# Altium PCB CM4-Tower.PcbDoc (part 6 of 10) (continued)
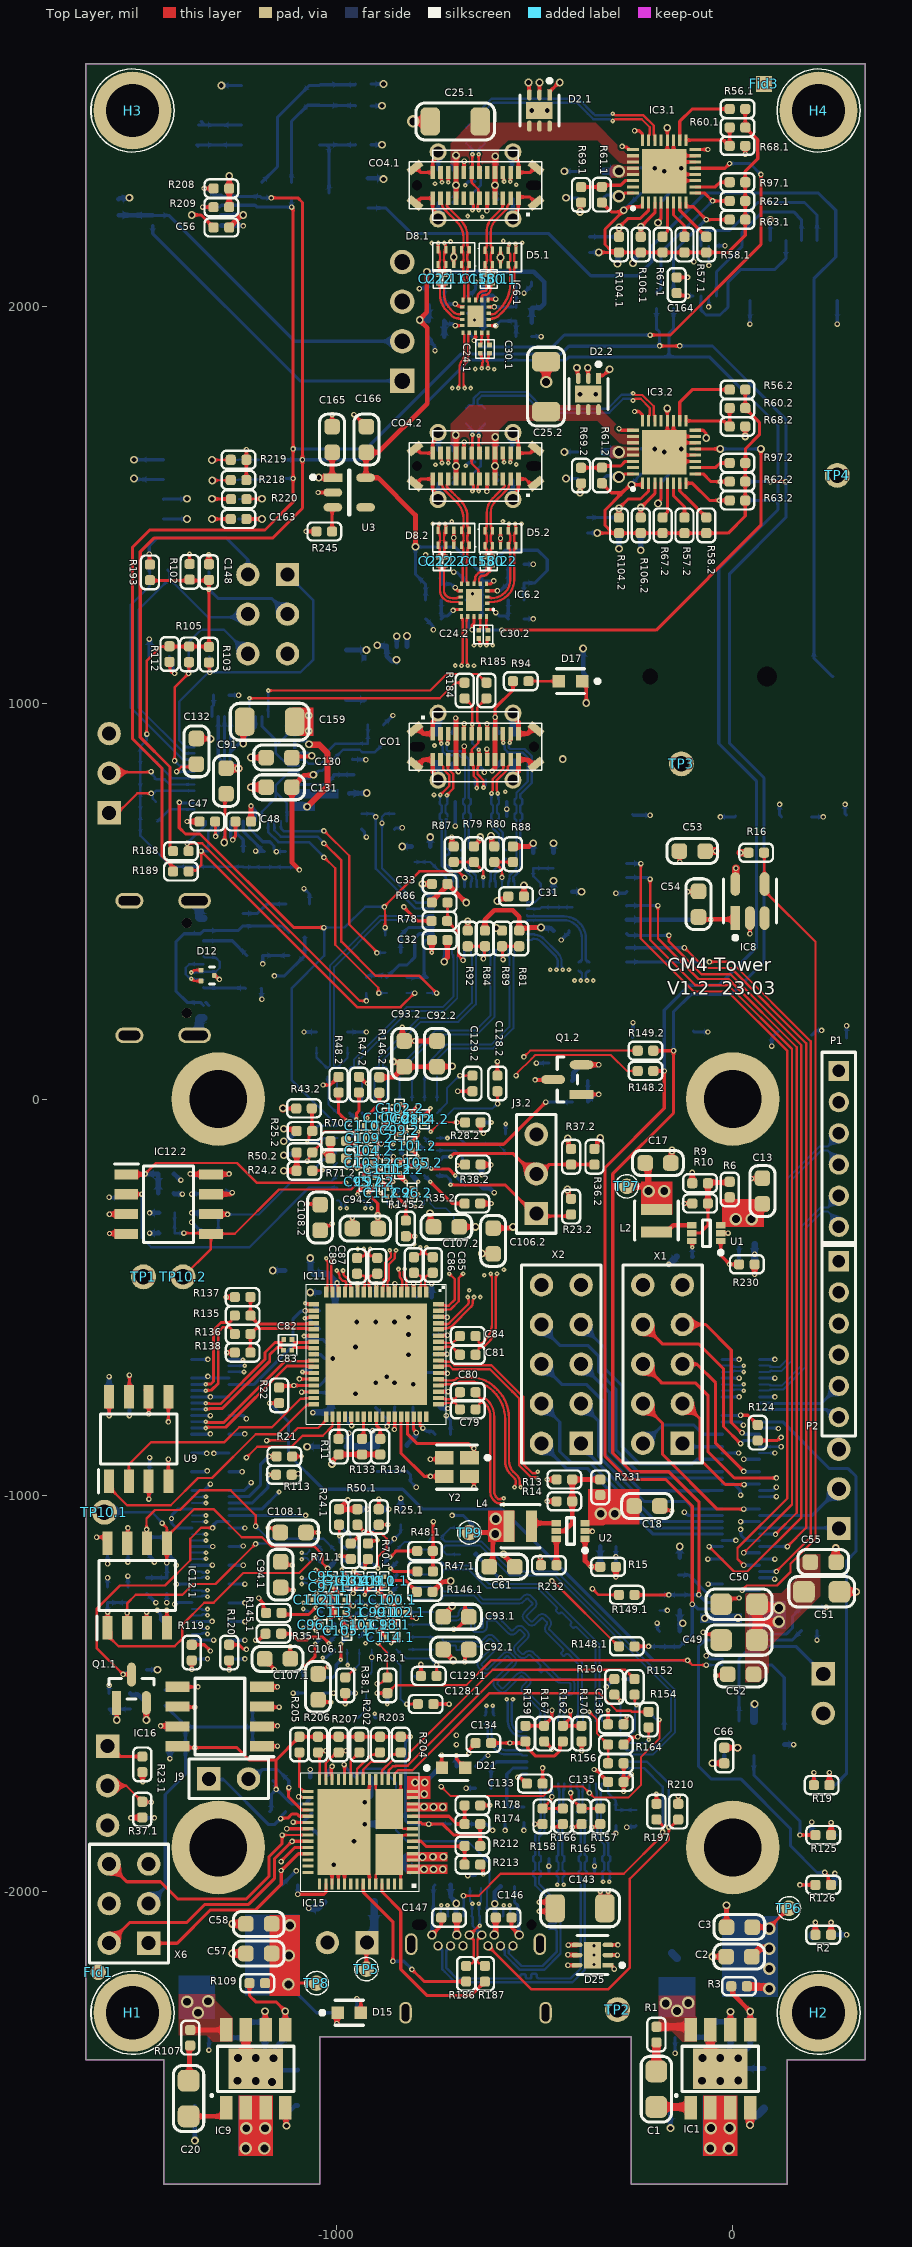
[diagram p0: Top Layer view]
## Nets (pads, with @x,y where several pads share a name; then routed paths per layer and width w, separated by ;. In a path a pad name is that pad's centre, name@x,y a point inside that pad or via, vN(x,y) a via of type N, cw(c..) or ccw(c..) an arc to the next point about the centre after c; other vN are vias at no path point) (continued)
  Bottom Layer w11.81: C78.1@-1574.8,-732.28 v1(-1574.8,-700.79) ; R32.1.2@-1521.26,-1501.12 -1518.07,-1504.32 -1501.18,-1504.32 -1481.89,-1523.61 -1481.89,-1566.92 v3(-1480.76,-1568.05) ; v1(-1473.43,1161.42) -1473.43,1160.88 -1472.31,1159.77 -1472.31,1117.62 IC5.4@-1472.17,1117.49 ; v1(-1472.44,-338.58) R46.2.2@-1448.82,-338.58 R46.2.2@-1450.67,-336.73 ; v1(-1421.26,-1665.35) C160.2@-1421.26,-1637.8 C160.2@-1421.26,-1633.86 ; R52.2.2@-1411.29,-189.11 -1411.02,-189.11 -1395.78,-204.35 -1394.08,-204.35 v1(-1393.7,-204.72) ; v3(-1358.25,-2629.95) C62.2@-1358.25,-2543.34 ; IC7.4@-1291.83,2205.22 IC7.4@-1291.34,2205.71 -1237.74,2205.71 -1236.75,2204.72 v1(-1236.22,2204.72) ; v4@-1204.67,-2421.26 -1181.09,-2397.67 C64.2@-1181.09,-2370.11 ; v4(-1163.35,-2481.96) -1159.58,-2478.19 -1159.58,-2467.84 -1143.68,-2451.94 -1099.26,-2451.94 C63.2@-1098.41,-2451.1 ; v3(-1161.42,-433.07) C9.2@-1130.91,-433.07 ; v4(-1159.41,-2421.74) -1155.65,-2417.97 -1155.65,-2395.85 R111.2@-1129.9,-2370.11 ; v3(-1133.86,-181.1) R26.2.2@-1101.23,-181.1 ; v3(-1133.86,-106.3) -1132.35,-104.79 -1125.31,-104.79 R34.2.1@-1101.23,-80.71 ; v3(-1074.8,-877.95) -1074.46,-877.61 C69.2@-1039.59,-877.61 ; C153.2@-1066.93,-1712.6 v1(-1066.93,-1692.91) ; v3(-1066.93,-488.19) -1066.81,-488.31 -1043.42,-488.31 C15.2@-1043.31,-488.42 ; C152.2@-1039.37,-1930.12 -1036.79,-1932.69 -1008.25,-1932.69 v3(-1007.87,-1933.07) ; R26.1.2@-994.31,-1035.61 -994.31,-1035.35 -972.44,-1013.48 -972.44,-1012.56 v1(-972.06,-1012.19) ; C37.2@-976.38,1133.86 v3(-925.2,1133.86) ; C67.2@-975.61,-744.92 -975.2,-744.51 -953.17,-744.51 v3(-952.76,-744.09) ; C59.2@-975.61,-626.64 -975.28,-626.31 -953.08,-626.31 v3(-952.76,-625.98) ; C161.2@-956.69,-1893.7 v3(-956.69,-1874.02) ; v3(-949.53,-562.99) -949.18,-562.64 -949.18,-537.62 C74.2@-948.82,-537.26 ; v3(-929.13,-1775.59) -929.13,-1775.06 -913.39,-1759.31 C154.2@-913.39,-1712.6 ; C77.2@-902.75,-537.26 -902.16,-537.85 -902.16,-562.41 v3(-901.57,-562.99) ; C70.2@-901.57,-740.16 v3(-901.57,-716.54) ; R43.1.1@-897.85,-1035.61 R43.1.1@-897.56,-1035.32 ; v3(-897.64,1145.67) -896.13,1144.16 -874.16,1144.16 -874.02,1144.01 D24.1@-874.02,1141.73 -874.02,1118.09 -861.44,1105.51 -851.6,1105.51 D24.7@-848.43,1102.34 -848.43,1108.69 v3(-848.98,1109.24) ; R43.1.1@-893.92,-1035.61 -893.82,-1035.52 -868.41,-1035.52 v1(-868.32,-1035.43) ; v3(-874.02,-700.79) -863.05,-689.82 -839.42,-689.82 C10.2@-838.58,-690.66 ; v3(-854.33,-716.54) -853.75,-717.12 -853.75,-737.46 C60.2@-853.16,-738.05 ; v3(-854.33,-562.99) C12.2@-854.33,-537.26 ; v3(-848.52,1168.64) -848.47,1168.6 -848.47,1141.78 D24.2@-848.43,1141.73 ; R34.1.1@-838.29,-1035.14 -838.29,-1008.37 v1(-837.99,-1008.07) ; D24.3@-822.83,1141.73 v3(-822.83,1169.29) ; v3(-818.9,-645.67) -818.36,-645.13 -795.82,-645.13 C75.2@-795.28,-644.59 ; v3(-818.9,-594.49) -818.57,-594.82 -795.6,-594.82 C73.2@-795.28,-595.14 ; v3(-818.9,-551.18) -817.84,-550.13 -796.33,-550.13 C11.2@-795.28,-549.07 ; C14.2@-807.09,-738.05 v3(-807.09,-720.47) ; v3(-764.5,-288.12) -762.99,-289.62 -762.99,-303.67 -744.09,-322.57 R42.2.2@-744.09,-322.83 ; R91.2@-763.78,637.8 v3(-763.78,661.42) ; v1(-760.43,-466.76) -760.14,-467.05 -760.14,-499.68 C71.2@-759.84,-499.97 ; C76.2@-740.16,-777.42 -736.58,-780.99 -719.64,-780.99 v1(-719.26,-781.37) ; R33.1.2@-649.61,-1149.61 R33.1.2@-648.33,-1148.33 ; R39.2.2@-636.66,-165.35 -634.23,-167.78 -634.23,-190.57 v1(-633.86,-190.94) ; R93.2@-503.94,622.05 v3(-503.94,645.67) ; R32.2.2@-405.51,46.11 -402.32,49.3 -402.32,66.19 -383.03,85.48 -339.72,85.48 v1(-338.58,86.61) ; R90.2@-405.51,523.62 v3(-381.89,523.62) ; v3(-377.95,1137.8) -377.95,1075.98 B1.-@-368.9,1066.93 ; v3(-291.34,2109.25) -289.83,2110.76 -289.83,2135.36 R59.1.2@-287.4,2137.8 ; v3(-287.4,1389.58) R59.2.2@-287.4,1428.95 ; v3(-251.97,2110.24) -250.46,2111.74 -250.46,2119.35 -232.28,2137.53 R66.1.2@-232.28,2137.8 ; v3(-232.28,1385.64) R66.2.2@-232.28,1428.95 ; v3(-157.48,-2598.43) C4.2@-157.48,-2539.37 ; v4@-31.46,-2421.23 -5.89,-2395.65 -5.89,-2373.65 C6.2@-5.25,-2373.02 ; v4(13.8,-2477.99) 17.57,-2474.22 17.57,-2463.87 33.46,-2447.97 77.89,-2447.97 C5.2@78.74,-2447.13 ; v4(13.8,-2421.7) 38.83,-2396.67 43.75,-2391.75 R5.2@43.75,-2369.13 R5.2@44.08,-2368.8 ; R224.1@129.92,-1629.92 v1(153.54,-1629.92) ; D1.1@257.87,-2110.24 v1(287.4,-2110.24) ; D14.1@257.87,-1984.25 257.92,-1984.2 v1(257.97,-1955.27) v1(257.97,-1955.27)
  Bottom Layer w15.75: v1(-1070.87,-2043.31) -1047.24,-2043.31 C46.2@-1031.5,-2027.56 ; v3(-929.13,-1830.71) C151.2@-881.89,-1830.71
  Bottom Layer w19.68: J12.Shell@-1358.96,160.63 -1356.83,160.63 -1347.74,169.72 -1347.74,202.76 -1345.77,204.72 J12.A1/B12@-1336.52,204.72 ; J12.Shell@-1358.96,500.79 -1356.83,500.79 -1347.74,491.69 -1347.74,458.66 -1345.77,456.69 J12.A12/B1@-1336.52,456.69 ; C38.2@-748.03,846.46 -746.06,844.49 -746.06,807.09 CO1.SH@-744.09,805.12 ; C40.2@-748.03,925.2 -746.06,927.17 -746.06,972.44 CO1.SH@-744.09,974.41 ; CO1.SH@-555.12,805.12 -553.15,807.09 -553.15,848.43 C39.2@-551.18,850.39 ; CO1.SH@-555.12,974.41 -553.15,972.44 -553.15,927.17 C41.2@-551.18,925.2 ; U4.3@53.15,-1570.85 53.69,-1570.3 53.69,-1528.98 v3(55.12,-1527.56)
  other v1: -350.39,-2185.04 -350.39,-2161.42 -350.39,-2137.8 -1322.83,1373.85 -586.61,1416.15 -704.72,1417.14
  other v2: -896.65,-1342.18 -637.8,-500 -665.34,-482.51 -627.24,-444.84 -577.94,-430.85 -947.33,-378.43 -805.07,-366.74 -399.61,299.21 -352.36,299.21 -461.06,326.77 -413.82,326.77 -754.41,767.86 -574.8,775.59 -753.34,892.52 -700.98,1094.56 -653.51,1094 -653.54,1145.67 -606.3,1145.67 -757.27,1452.37 -533.46,1452.76 -709.96,1458.36 -580.46,1459.13 -750.84,1601.95 -546.42,1602.35 -708.66,1795.28 -661.42,1795.28 -602.27,1842.43 -650.67,1843.43 -759.84,2161.42 -531.41,2162.54 -712.6,2165.35 -579.31,2166.61 -632.31,2228.19 -669.2,2229.47 -547.15,2308.21 -751.97,2311.02
  other v3: -15.75,-2035.43 -429.13,858.27
  other v4: -1204.72,-2479.45 -31.51,-2479.42 -1250.83,-2478.89 -77.62,-2478.86 -1249.56,-2421.26 -1204.72,-2421.26 -76.35,-2421.23 -31.51,-2421.23
GPIO2: J5.58 X2.2 | length 551.2
  Bottom Layer w7.87: X2.2@-483.07,-869.29 -419.29,-933.07 -366.14,-933.07 -200.79,-1098.43 J5.58@-26.77,-1098.43
GPIO3: J5.56 X2.4 | length 629.7
  Bottom Layer w7.87: X2.4@-483.07,-769.29 -437.01,-815.35 -437.01,-889.76 -409.45,-917.32 -362.01,-917.32 -196.65,-1082.68 J5.56@-26.77,-1082.68
GPIO4_SPI4_CE0: J5.54 X2.1 | length 440.4
  Bottom Layer w7.87: X2.1@-386.81,-873.03 -192.91,-1066.93 J5.54@-26.77,-1066.93
GPIO5_SPI4_MISO: J5.34 X2.7 | length 627.1
  Bottom Layer w7.87: X2.7@-383.07,-569.29 -322.83,-629.53 -322.83,-681.1 -279.53,-724.41 -279.53,-877.95 -236.22,-921.26 -102.36,-921.26 -90.55,-909.45 J5.34@-26.77,-909.45
GPIO6_SPI4_MOSI: J5.30 X1.1 | length 104
  Bottom Layer w7.87: X1.1@-127.17,-869.29 -118.5,-877.95 J5.30@-26.77,-877.95
GPIO7_SPI4_CLK: J5.37 X1.5 | length 396
  Top Layer w7.87: X1.5@-127.17,-669.29 -127.05,-669.4 -90.44,-669.4 -43.31,-716.54 -43.31,-869.09 v1(27.56,-939.96)
  Bottom Layer w7.87: v1(27.56,-939.96) 28.54,-940.95 J5.37@66.93,-940.95
GPIO8_SPI0_CE0: J5.39 X1.6 | length 584.7
  Top Layer w7.87: X1.6@-227.17,-669.29 -181.1,-715.35 -181.1,-716.54 -94.49,-716.54 -62.99,-748.03 -62.99,-889.76 3.94,-956.69 v1(110.24,-956.69)
  Layer 3 w5.91: X1.6@-228.35,-669.29 X1.6@-227.17,-669.29
  Bottom Layer w7.87: J5.39@66.93,-956.69 v1(110.24,-956.69)
GPIO9_SPI0_MISO: J5.40 X2.5 | length 562.2
  Bottom Layer w7.87: X2.5@-383.07,-669.29 -311.02,-741.34 -311.02,-889.57 -243.9,-956.69 J5.40@-26.77,-956.69
GPIO10_SPI0_MOSI: J5.44 X2.6 | length 675.1
  Layer 3 w5.91: X2.6@-489.96,-676.18 X2.6@-483.07,-669.29
  Bottom Layer w7.87: X2.6@-483.07,-669.29 -431.89,-720.47 -370.08,-720.47 -324.8,-765.75 -324.8,-895.67 -231.3,-989.17 -60,-989.17 -59.01,-988.19 J5.44@-26.77,-988.19
GPIO11_SPI0_CLK: J5.38 X2.8 | length 725.2
  Bottom Layer w7.87: X2.8@-486.42,-572.64 -437.01,-622.05 -366.14,-622.05 -338.58,-649.61 -338.58,-688.98 -295.28,-732.28 -295.28,-885.83 -240.16,-940.95 J5.38@-26.77,-940.95
GPIO17_SPI1_CE1: J5.50 X2.3 | length 518
  Bottom Layer w7.87: X2.3@-383.07,-769.29 -338.58,-813.78 -338.58,-901.57 -224.41,-1015.75 -118.11,-1015.75 -98.43,-1035.43 J5.50@-26.77,-1035.43
GPIO18_SPI1_CE0: J5.49 X1.4 | length 450.2
  Top Layer w7.87: X1.4@-227.17,-769.29 -177.17,-819.29 -177.17,-897.64 -39.37,-1035.43 v1(27.56,-1035.43)
  Bottom Layer w7.87: v1(27.56,-1035.43) J5.49@66.93,-1035.43
GPIO19_SPI1_MISO: J5.26 X1.2 | length 228.4
  Bottom Layer w7.87: X1.2@-225.39,-871.06 -177.17,-822.83 -98.43,-822.83 -74.8,-846.46 J5.26@-26.77,-846.46
GPIO20_SPI1_MOSI: J5.27 X1.8 | length 507.3
  Top Layer w7.87: X1.8@-227.17,-569.29 -178.35,-618.11 -86.61,-618.11 -23.62,-681.1 -23.62,-826.77 v1(19.68,-870.08)
  Bottom Layer w7.87: v1(19.68,-870.08) 27.56,-862.2 J5.27@66.93,-862.2
GPIO21_SPI1_CLK: J5.25 X1.7 | length 429.8
  Top Layer w7.87: X1.7@-127.17,-569.29 -68.5,-569.29 -3.94,-633.86 -3.94,-816.56 22.02,-842.52 v1(23.62,-842.52)
  Layer 6 w5.91: X1.7@-141.01,-569.29 X1.7@-127.17,-569.29
  Bottom Layer w7.87: v1(23.62,-842.52) 25.22,-842.52 29.16,-846.46 J5.25@66.93,-846.46
GPIO25_SPI4_CE1: J5.41 X1.3 | length 343.4
  Top Layer w7.87: X1.3@-127.17,-769.29 -120.47,-769.29 -82.68,-807.09 -82.68,-909.45 -18.7,-973.43 v1(28.58,-973.43)
  Layer 3 w5.91: X1.3@-131.5,-769.29 X1.3@-127.17,-769.29
  Bottom Layer w7.87: v1(28.58,-973.43) 29.57,-972.44 J5.41@66.93,-972.44
GPIO_VREF: J5.78 R116.2 | length 132.8
  Bottom Layer w7.87: R116.2@-137.06,-1201.53 -111.4,-1201.53 -65.75,-1247.19 -57.03,-1255.91 J5.78@-26.77,-1255.91
HDMI0_CEC: IC2.1.F9 J6.151 R53.1.2 | length 729
  Layer 3 w4.92: v1(-1078.74,-1051.18) -1025.49,-1051.18 -911.63,-1165.04 v1(-911.63,-1409.45)
  Bottom Layer w3.94: R53.1.2@-925.41,-1460.81 -911.63,-1447.03 v1(-911.63,-1409.45) IC2.1.F9@-911.63,-1389.94
  Bottom Layer w7.87: J6.151@-1272.44,-1051.18 v1(-1078.74,-1051.18)
HDMI0_CK_N: IC2.1.A8 J6.190 | length 328.5
  Layer 6 w3.94: v2(-1326.39,-1350.77) -1324.26,-1350.77 -1319.93,-1346.44 -1205.53,-1346.44 -1180.12,-1346.44 cw(c-1180.12,-1350.38) -1176.18,-1350.38 -1176.18,-1350.9 ccw(c-1161.61,-1350.9) -1161.61,-1365.46 -1152.17,-1365.46 ccw(c-1152.17,-1350.9) -1137.6,-1350.9 -1137.6,-1350.38 cw(c-1133.66,-1350.38) -1133.66,-1346.44 -1125.98,-1346.44 -1091.12,-1346.44 -1086.99,-1350.57 v2(-1084.86,-1350.57)
  Bottom Layer w4.92: J6.190@-1365.77,-1350.77 -1341.55,-1350.77 -1340.08,-1349.29 -1340.08,-1348.31 -1339.68,-1347.92 -1330.63,-1347.92 -1327.77,-1350.77 v2(-1326.39,-1350.77) ; v2(-1084.86,-1350.57) -1083,-1350.57 -1077.57,-1356 -1071.56,-1356 IC2.1.A8@-1069.11,-1358.45
HDMI0_CK_P: IC2.1.A7 J6.188 | length 324.8
  Layer 6 w3.94: v2(-1326.39,-1335.02) -1205.53,-1335.02 -1180.12,-1335.02 cw(c-1180.12,-1350.38) -1164.76,-1350.38 -1164.76,-1350.9 ccw(c-1161.61,-1350.9) -1161.61,-1354.05 -1152.17,-1354.05 ccw(c-1152.17,-1350.9) -1149.02,-1350.9 -1149.02,-1350.38 cw(c-1133.66,-1350.38) -1133.66,-1335.02 -1125.98,-1335.02 v2@-1085.06,-1335.02
  Bottom Layer w4.92: J6.188@-1365.77,-1335.02 -1341.55,-1335.02 -1340.08,-1336.5 -1340.08,-1337.48 -1339.68,-1337.88 -1331.11,-1337.88 -1328.26,-1335.02 v2(-1326.39,-1335.02) ; v2(-1084.86,-1334.83) -1083,-1334.83 -1077.57,-1329.4 -1071.56,-1329.4 IC2.1.A7@-1069.11,-1326.95
HDMI0_HOT: J6.153 Q1.1.3 R29.1.2 | length 704.1
  Top Layer w5.91: v1(-1539.37,-1452.76) -1606.3,-1385.83 -1606.3,-1287.4 -1547.24,-1228.35 -1433.67,-1228.35 -1370.08,-1164.76 -1370.08,-1110.24 -1342.52,-1082.68 v1(-1313.39,-1082.68)
  Top Layer w7.87: v1(-1539.37,-1452.76) -1519.93,-1452.76 Q1.1.3@-1518.1,-1450.92
  Bottom Layer w7.87: v1(-1539.37,-1452.76) -1538.24,-1451.63 -1534.76,-1451.63 -1531.42,-1448.28 -1528.36,-1448.28 -1519.16,-1439.09 R29.1.2@-1519.16,-1436.03 ; v1(-1313.39,-1082.68) -1312.26,-1081.55 -1312.26,-1076.49 -1302.7,-1066.93 J6.153@-1272.44,-1066.93
HDMI0_SCL: IC2.1.H2 J6.200 R47.1.2 R119.2 | length 916.5
  Top Layer w7.87: v1(-1366.14,-1439.96) R119.2@-1366.14,-1417.32 ; v2(-864.39,-1185.22) -856.51,-1193.09 R47.1.2@-796.46,-1193.09
  Layer 6 w5.91: v1(-1366.14,-1439.96) -1315.94,-1439.96 -1287.4,-1468.5 -913.39,-1468.5 -838.58,-1393.7 -838.58,-1211.02 v2(-864.39,-1185.22)
  Bottom Layer w7.87: v1(-1366.14,-1439.96) J6.200@-1366.14,-1429.13 ; v2(-864.39,-1185.22) IC2.1.H2@-848.64,-1169.47
HDMI0_SDA: IC2.1.G2 J6.199 R48.1.2 R120.1 | length 814
  Top Layer w5.91: v1(-1271.65,-1440.94) R120.1@-1271.65,-1417.32
  Top Layer w7.87: v2(-864.73,-1156.5) -851.78,-1143.55 -851.78,-1141.27 R48.1.2@-796.86,-1141.27
  Layer 6 w5.91: v1(-1271.65,-1440.94) -1255.91,-1456.69 -921.26,-1456.69 -880.14,-1415.57 -880.14,-1169.47 -875.96,-1165.3 -875.13,-1165.3 -866.33,-1156.5 v2(-864.73,-1156.5)
  Bottom Layer w5.91: J6.199@-1272.44,-1429.13 -1271.65,-1429.92 v1(-1271.65,-1440.94)
  Bottom Layer w7.87: IC2.1.G2@-880.13,-1169.47 -878.77,-1169.47 -865.79,-1156.5 v2(-864.73,-1156.5)
HDMI0_TD0_N: IC2.1.A6 J6.184 | length 320.8
  Layer 6 w3.94: v2(-1326.39,-1303.53) -1324.89,-1302.02 -1320.81,-1302.02 -1320.15,-1301.36 -1204.13,-1301.36 -1170.09,-1267.32 -1127.24,-1267.32 -1109.14,-1285.42 -1091.1,-1285.42 -1090.44,-1286.07 -1086.37,-1286.07 v2(-1084.86,-1287.58)
  Bottom Layer w4.92: J6.184@-1365.77,-1303.53 -1341.55,-1303.53 -1340.08,-1302.05 -1340.08,-1301.07 -1339.68,-1300.67 v2@-1330.63,-1300.67 ; v2(-1084.86,-1287.58) -1083,-1287.58 -1077.57,-1293.01 -1071.56,-1293.01 IC2.1.A6@-1069.11,-1295.45
HDMI0_TD0_P: IC2.1.A5 J6.182 | length 320.3
  Layer 6 w3.94: v2(-1326.39,-1287.78) -1324.89,-1289.28 -1320.81,-1289.28 -1320.15,-1289.94 -1208.86,-1289.94 -1174.82,-1255.91 -1122.51,-1255.91 -1104.41,-1274 -1091.1,-1274 -1090.44,-1273.34 -1086.37,-1273.34 v2(-1084.86,-1271.83)
  Bottom Layer w4.92: J6.182@-1365.77,-1287.78 -1341.55,-1287.78 -1340.08,-1289.25 -1340.08,-1290.24 -1339.68,-1290.63 v2@-1331.11,-1290.63 ; v2(-1084.86,-1271.83) -1083,-1271.83 -1077.57,-1266.41 -1071.56,-1266.41 IC2.1.A5@-1069.11,-1263.96
HDMI0_TD1_N: IC2.1.A4 J6.178 | length 316.8
  Layer 6 w3.94: v2(-1326.39,-1256.28) -1324.89,-1254.78 -1320.81,-1254.78 -1320.15,-1254.12 -1227,-1254.12 -1219.93,-1247.05 -1190.78,-1247.05 -1166.15,-1222.42 -1095.04,-1222.42 -1094.38,-1223.08 -1090.3,-1223.08 v2(-1088.8,-1224.59)
  Bottom Layer w4.92: J6.178@-1365.77,-1256.28 -1341.55,-1256.28 -1340.08,-1254.81 -1340.08,-1253.82 -1339.68,-1253.43 -1330.63,-1253.43 -1327.77,-1256.28 v2(-1326.39,-1256.28) ; v2@-1084.08,-1221.74 -1075.51,-1221.74 -1075.04,-1222.2 -1075.04,-1223.07 -1069.11,-1229 IC2.1.A4@-1069.11,-1232.46
HDMI0_TD1_P: IC2.1.A3 J6.176 | length 316.8
  Layer 6 w3.94: v2(-1326.39,-1240.53) -1324.89,-1242.04 -1320.81,-1242.04 -1320.15,-1242.7 -1231.73,-1242.7 -1224.66,-1235.63 -1195.51,-1235.63 -1170.88,-1211.01 -1095.04,-1211.01 -1094.38,-1210.35 -1090.3,-1210.35 v2(-1088.8,-1208.84)
  Bottom Layer w4.92: J6.176@-1365.77,-1240.53 -1341.55,-1240.53 -1340.08,-1242.01 -1340.08,-1242.99 -1339.68,-1243.39 -1331.11,-1243.39 -1328.26,-1240.53 v2(-1326.39,-1240.53) ; v2@-1084.08,-1211.7 -1075.51,-1211.7 -1075.04,-1211.23 -1075.04,-1210.36 -1069.11,-1204.43 IC2.1.A3@-1069.11,-1200.97
HDMI0_TD2_N: IC2.1.A2 J6.172 | length 323.3
  Layer 6 w3.94: v2(-1326.39,-1209.04) -1324.89,-1207.53 -1320.81,-1207.53 -1320.15,-1206.87 -1261.24,-1206.87 -1202.18,-1206.87 -1154.74,-1159.43 -1095.04,-1159.43 -1094.38,-1160.09 -1090.3,-1160.09 v2(-1088.8,-1161.6)
  Bottom Layer w4.92: J6.172@-1365.77,-1209.04 -1341.55,-1209.04 -1340.08,-1207.56 -1340.08,-1206.58 -1339.68,-1206.18 -1330.63,-1206.18 -1327.77,-1209.04 v2(-1326.39,-1209.04) ; v2@-1084.08,-1158.74 -1075.51,-1158.74 -1075.04,-1159.21 -1075.04,-1160.08 -1069.11,-1166.01 IC2.1.A2@-1069.11,-1169.47
HDMI0_TD2_P: IC2.1.A1 J6.170 | length 323.3
  Layer 6 w3.94: v2(-1326.39,-1193.29) -1324.89,-1194.8 -1320.81,-1194.8 -1320.15,-1195.46 -1222.54,-1195.46 -1172.93,-1145.85 v2(-1088.8,-1145.85)
  Bottom Layer w4.92: J6.170@-1365.77,-1193.29 -1341.55,-1193.29 -1340.08,-1194.77 -1340.08,-1195.75 -1339.68,-1196.14 -1331.11,-1196.14 -1328.26,-1193.29 v2(-1326.39,-1193.29) ; v2@-1084.08,-1148.7 -1075.51,-1148.7 -1075.04,-1148.23 -1075.04,-1147.37 -1069.11,-1141.44 IC2.1.A1@-1069.11,-1137.97
HDMI1_CEC: IC2.2.F9 J6.149 R53.2.2 | length 1762.9
  Layer 6 w7.87: v2(-1145.67,-992.13) -1220.47,-992.13 -1233.03,-979.57 -1233.03,-958.47 -1211.61,-937.05 -1211.61,-353.35 -1110.24,-251.97 -1110.24,-90.55 -1011.81,7.87 -767.72,7.87 -720.47,-39.37 v2(-720.47,-98.43)
  Bottom Layer w5.91: IC2.2.F9@-746.9,-98.43 v2(-720.47,-98.43) -689.81,-98.43 R53.2.2@-676.03,-112.2
  Bottom Layer w7.87: J6.149@-1272.44,-1035.43 -1188.98,-1035.43 v2(-1145.67,-992.13)